# Allegro board SSOM_K1_Layout.brd (continued)
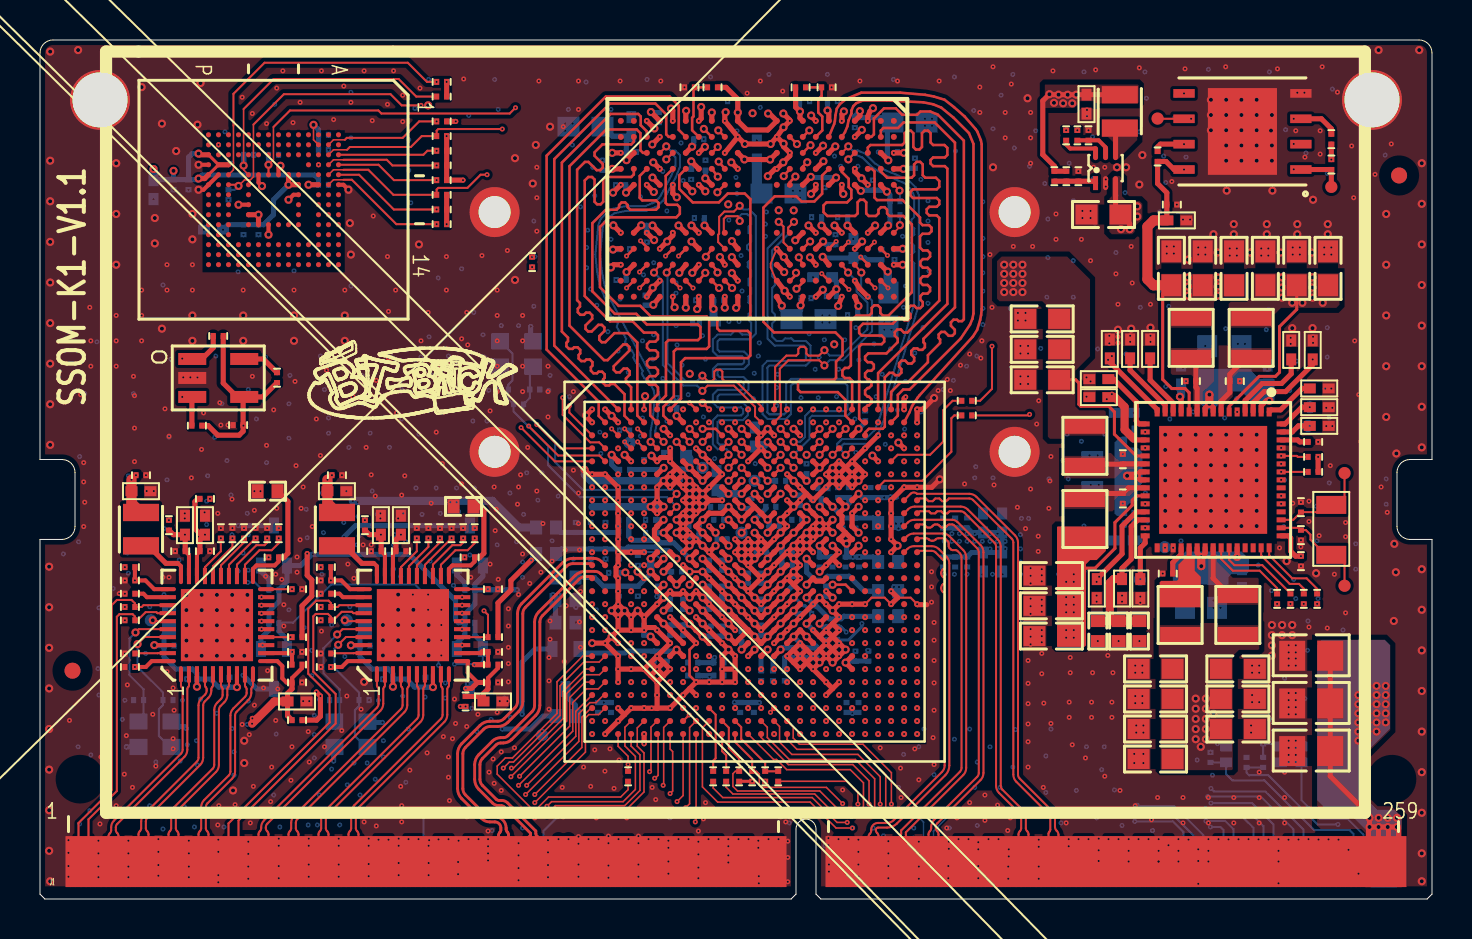
[diagram p0: board, top side]
## Routing (per net, layer and track width the routed paths; a pad name or vN(x,y) marks a point on that pad's centre or on a via; arc(x,y) is an arc through that point) (continued)
N19151441: length 5.3
  TOP w0.102: TP11.1 65.23,16.94 64.94,17.23 Y2.1 64.28,17.23 63.53,17.99 63.53,18.24 63.3,18.46 C177.2 62.93,18.58 U5.47
N19151502: length 4.9
  TOP w0.102: TP13.1 65.23,20.01 64.94,19.73 Y2.2 64.2,19.37 C178.2 62.66,18.98 U5.48
N19151576: length 0.7
  L3 w0.254: v1(56.26,17.58) v2(56.26,17.24)
  L6 w0.254: v2(56.26,17.24) 56.24,17.26 v4(56.24,17.61)
N19316433: length 0.5
  TOP w0.089: v5(35.08,18.33) U1.K13
  BOTTOM w0.254: TP3.1 v5(35.08,18.33)
N19316448: length 3.8
  TOP w0.102: 28.25,8.91 v1(28.26,8.91)
  L3 w0.102: v2(28.26,8.33) v1(28.26,8.91)
  L6 w0.102: v4(25.11,8.39) 28.2,8.39 v2(28.26,8.33)
N19320130: length 1.5
  TOP w0.127: U1.R21 40.28,15.73 v5(39.63,15.73)
  BOTTOM w0.254: v5(39.63,15.73) 39.56,15.66 C20.2
N19444825: length 1.3
  TOP w0.254: U4.4 53.78,38.38 L3.1
N19444865: length 2
  TOP w0.203: U4.6 52.78,37.51 52.72,37.57 51.51,37.57 51.31,37.77 R40.2
N19444907: length 2.1
  TOP w0.254: U4.1 52.68,35.93 R45.1 C126.1 R41.2
N19446273: length 4.3
  TOP w0.102: R47.1 61.86,15.56 60.99,16.43 59.64,16.43 59.06,17.02 U5.39
N19446276: length 4.4
  TOP w0.102: R48.1 62.52,15.3 61.11,16.71 59.72,16.71 59.46,16.97 U5.40
N19449192: length 1.5
  TOP w0.254: U5.34 57.06,17.26 56.64,16.84 R49.1
N19552508: length 0.9
  TOP w0.254: U1.U19 v5(38.98,13.78)
  BOTTOM w0.254: R8.2 39.14,13.62 v5(38.98,13.78)
N19650065: length 1.8
  TOP w0.254: U1.U18 v5(38.33,13.78)
  BOTTOM w0.254: R7.1 39.14,12.97 v5(38.33,13.78)
N19801293: length 0.9
  TOP w0.089: U6.A5 42.69,35.74 v5(42.98,35.46)
  BOTTOM w0.089: R75.2 43,35.44 v5(42.98,35.46)
N19801297: length 1
  TOP w0.089: U6.A8 43,33.65 v5(43,33.73)
  BOTTOM w0.089: R76.2 v5(43,33.73)
N19805466: length 2.5
  TOP w0.076: v5(13.67,38.75) 13.67,38 13.92,37.75 U7.C2
  BOTTOM w0.254: v5(13.67,38.75) 13.92,38.5 C222.2 C221.2
N19805593: length 14.6
  TOP w0.076: 10.18,39.54 v5(10.18,36.71) 10.18,36.5 U7.K5
  TOP w0.102: 10.18,39.54 11.68,41.05 17.93,41.05 18.81,40.17 R90.1
  BOTTOM w0.254: C223.1 10.19,36.72 v5(10.18,36.71)
N19918006: length 1.3
  L3 w0.254: v1(55.26,19.78) v2(55,19.52)
  L6 w0.254: v4(54.71,19.34) 54.82,19.34 v2(55,19.52)
  BOTTOM w0.254: R53.1 v4(54.71,19.34)
N20806377: length 1.8
  TOP w0.203: R43.2 R44.2 52.93,37.98 53.28,37.63 U4.5
N20901873: length 6.7
  TOP w0.102: R16.1 45.71,24.21 45.57,24.06 45.57,22.39 44.12,20.94 42.23,20.94 U1.G23
N23332666: length 0.7
  TOP w0.089: U1.P4 v5(29.27,16.35)
  BOTTOM w0.254: v5(29.27,16.35) 29.25,16.33 R101.1
N23398267: length 1.9
  TOP w0.254: R102.2 11.17,27.03 U9.5

## Copper pours and planes (outline as drawn; the poured copper is in the pictures)
AVDD06_DDR on TOP: 54.89,40.77 50.27,40.77 50.24,40.74 50.24,39.62 50.27,39.6 51.71,39.6 51.94,39.83 54.89,39.83 54.94,39.88 54.94,40.72
AVDD06_DDR on L4: 29.72,20.07 25.4,24.38 24,24.38 23.88,24.51 23.88,36.96 26.54,39.62 45.47,39.62 46.35,40.51 55.5,40.51 55.63,40.39 55.63,38.86 55.5,38.73 51.18,38.73 47.37,34.92 47.37,29.59 40.64,22.86 40.64,20.45 40.26,20.07
AVDD09_CSI on L3: 35.66,19.86 40.34,19.86 40.49,19.71 40.49,16.21 35.86,11.58 33.02,11.58 30.99,13.61 30.99,18.49 31.29,18.8 34.59,18.8
AVDD11_DDR on TOP: 50.39,29.64 50.39,23.14 50.5,23.04 53.26,23.04 53.29,23.06 53.29,24.38 53.21,24.46 51.97,24.46 51.77,24.66 51.77,26.44 52.5,27.18 52.5,31.01 51.36,32.16 48.08,32.16 47.85,31.93 47.85,30.05 47.98,29.92 50.11,29.92
AVDD11_DDR on L5: 39.62,30.1 35.56,26.04 35.56,21.72 36.58,20.7 36.58,20.19 36.45,20.07 31.24,20.07 30.73,20.57 30.73,21.08 24,27.81 24,40.89 24.26,41.15 47.24,41.15 53.47,34.92 53.47,30.23 53.34,30.1
AVDD12_DSI on L7: 48.13,23.75 53.85,23.75 53.98,23.88 53.98,26.8 53.72,27.05 47.37,27.05 42.42,22.1 41.15,22.1 40.39,21.34 35.56,21.34 35.05,20.83 33.02,20.83 32.51,20.32 32.51,19.18 32.13,18.8 31.37,18.8 31.24,18.67 31.24,14.35 31.37,14.22 32.77,14.22 32.89,14.35 32.89,17.27 34.8,19.18 43.56,19.18
AVDD18_AFEAP on L6: 33.91,20.19 34.04,20.32 34.8,20.32 35.31,20.83 38.1,20.83 40.13,18.8 42.16,18.8 42.55,18.41 44.58,18.41 44.7,18.29 44.7,17.27 44.58,17.14 39.37,17.14 37.08,19.43 35.56,19.43 35.05,18.92 35.05,18.67 34.92,18.54 34.04,18.54 33.91,18.67
AVDD18_CSI on L5: 32,15.21 32.24,14.98 33.66,14.98 33.66,14.99 34.54,15.88 34.54,17.65 34.67,17.78 34.67,18.67 34.8,18.8 37.08,18.8 37.85,19.56 37.85,19.94 38.1,20.19 44.2,20.19 44.45,19.94 44.45,14.86 44.32,14.73 40.77,14.73 39.24,13.21 38.35,13.21 36.58,11.43 34.92,11.43 34.42,10.92 31.75,10.92 30.48,12.19 25.53,12.19 25.27,12.45 25.27,21.08 20.07,26.29 20.07,40.51 20.19,40.64 23.37,40.64 23.5,40.51 23.5,27.81 30.48,20.83 30.48,20.32 30.99,19.81 31.88,19.81 32,19.68
AVDD18_DDR on L3: 39.83,38.73 40.01,38.54 40.01,36.05 39.3,35.34 32.07,35.34 31.68,35.73 31.68,38.45 31.95,38.73
AVDD18_DDR on L5: 32.03,39.66 32.42,39.66 32.85,39.22 32.85,36.46 31.55,35.15 31.55,33.38 31.85,33.07 32.66,33.07 32.77,32.97 32.77,29.32 32.52,29.07 30.39,29.07 29.76,29.71 29.76,37.39
AVDD18_DDR on L5: 42.32,29.84 53.34,29.84 53.47,29.72 53.47,23.37 49.78,19.68 44.96,19.68 44.83,19.81 44.83,20.07 44.45,20.45 37.97,20.45 37.59,20.07 37.59,19.68 36.96,19.05 34.8,19.05 34.67,19.18 34.67,19.68 34.8,19.81 36.58,19.81 36.83,20.07 36.83,20.85 35.89,21.79 35.89,25.86 38.91,28.88 38.91,32.97 39.07,33.12 39.73,33.12 40.34,33.73 40.34,36.3 39.95,36.68 39.01,36.68 38.76,36.93 38.76,39.39 39.07,39.7 39.7,39.7 41.81,37.59 41.81,30.35
AVDD18_EFUSE on L6: 38.73,20.57 40.26,19.05 41.91,19.05 42.16,19.3 42.16,19.43 41.66,19.94 41.66,20.32 41.15,20.83 40.64,20.83 40.01,21.46 39.12,21.46 38.73,21.08
AVDD18_PLL on L6: 35.31,18.8 35.31,16.64 35.56,16.38 38.99,16.38 39.24,16.64 39.24,16.89 36.96,19.18 35.69,19.18
AVDD18_USB on BOTTOM: 26.54,15.75 26.54,16.38 27.69,16.38 28.07,16 29.97,16 30.35,16.38 30.73,16.38 30.73,16.13 30.1,15.49 27.94,15.49 27.69,15.75
AVDD33_USB on BOTTOM: 28.96,18.41 28.96,18.03 26.04,18.03 25.78,18.29 25.78,18.54 25.91,18.67 26.04,18.67 26.29,18.41
GND on TOP: 0.25,42.35 0.37,42.63 0.65,42.75 68.95,42.75 69.23,42.63 69.35,42.35 69.35,22.25 68.5,22.25 67.86,21.99 67.6,21.35 67.6,18.65 67.86,18.01 68.5,17.75 69.35,17.75 69.35,0.64 39.05,0.64 39.05,3.5 38.3,4.25 37.55,3.5 37.55,0.64 0.25,0.64 0.25,17.75 1.1,17.75 1.74,18.01 2,18.65 2,21.35 1.74,21.99 1.1,22.25 0.25,22.25 ; 15 cut-outs
GND on BOTTOM: 0.25,42.35 0.37,42.63 0.65,42.75 68.95,42.75 69.23,42.63 69.35,42.35 69.35,22.25 68.5,22.25 67.86,21.99 67.6,21.35 67.6,18.65 67.86,18.01 68.5,17.75 69.35,17.75 69.35,0.64 39.05,0.64 39.05,3.5 38.3,4.25 37.55,3.5 37.55,0.64 0.25,0.64 0.25,17.75 1.1,17.75 1.74,18.01 2,18.65 2,21.35 1.74,21.99 1.1,22.25 0.25,22.25 ; 13 cut-outs
GND on L2, L7: 0.25,42.35 0.37,42.63 0.65,42.75 68.95,42.75 69.23,42.63 69.35,42.35 69.35,22.25 68.5,22.25 67.86,21.99 67.6,21.35 67.6,18.65 67.86,18.01 68.5,17.75 69.35,17.75 69.35,0.51 39.05,0.51 39.05,3.5 38.3,4.25 37.55,3.5 37.55,0.51 0.25,0.51 0.25,17.75 1.1,17.75 1.74,18.01 2,18.65 2,21.35 1.74,21.99 1.1,22.25 0.25,22.25
GND on L3: 0.25,42.35 0.37,42.63 0.65,42.75 68.95,42.75 69.23,42.63 69.35,42.35 69.35,22.25 68.5,22.25 67.86,21.99 67.6,21.35 67.6,18.65 67.86,18.01 68.5,17.75 69.35,17.75 69.35,0.51 39.05,0.51 39.05,3.5 38.3,4.25 37.55,3.5 37.55,0.51 0.25,0.51 0.25,17.75 1.1,17.75 1.74,18.01 2,18.65 2,21.35 1.74,21.99 1.1,22.25 0.25,22.25 ; 8 cut-outs
GND on L4: 0.25,42.35 0.37,42.63 0.65,42.75 68.95,42.75 69.23,42.63 69.35,42.35 69.35,22.25 68.5,22.25 67.86,21.99 67.6,21.35 67.6,18.65 67.86,18.01 68.5,17.75 69.35,17.75 69.35,0.51 39.05,0.51 39.05,3.5 38.3,4.25 37.55,3.5 37.55,0.51 0.25,0.51 0.25,17.75 1.1,17.75 1.74,18.01 2,18.65 2,21.35 1.74,21.99 1.1,22.25 0.25,22.25 ; 1 cut-out
GND on L5: 0.25,42.35 0.37,42.63 0.65,42.75 68.95,42.75 69.23,42.63 69.35,42.35 69.35,22.25 68.5,22.25 67.86,21.99 67.6,21.35 67.6,18.65 67.86,18.01 68.5,17.75 69.35,17.75 69.35,0.51 39.05,0.51 39.05,3.5 38.3,4.25 37.55,3.5 37.55,0.51 0.25,0.51 0.25,17.75 1.1,17.75 1.74,18.01 2,18.65 2,21.35 1.74,21.99 1.1,22.25 0.25,22.25 ; 1 cut-out
GND on L6: 0.25,42.35 0.37,42.63 0.65,42.75 68.95,42.75 69.23,42.63 69.35,42.35 69.35,22.25 68.5,22.25 67.86,21.99 67.6,21.35 67.6,18.65 67.86,18.01 68.5,17.75 69.35,17.75 69.35,0.51 39.05,0.51 39.05,3.5 38.3,4.25 37.55,3.5 37.55,0.51 0.25,0.51 0.25,17.75 1.1,17.75 1.74,18.01 2,18.65 2,21.35 1.74,21.99 1.1,22.25 0.25,22.25 ; 30 cut-outs
VCC1V8_SYS on TOP: 60.6,31.32 60.6,30.15 60.35,29.9 59.54,29.9 59.44,29.79 59.44,28.5 59.46,28.47 61.59,28.47 61.65,28.52 61.65,29.18 62.05,29.59 64.82,29.59 64.97,29.74 64.97,31.32
VCC1V8_SYS on L5: 64.52,17.4 62.1,14.99 62.1,8.76 61.59,8.26 58.17,8.26 55.88,5.97 32.51,5.97 30.86,7.62 28.83,7.62 23.11,1.91 0.64,1.91 0.25,2.29 0.25,17.53 0.38,17.65 1.4,17.65 2.03,18.29 2.03,23.37 6.73,28.07 6.73,29.21 5.21,30.73 5.21,36.7 9.14,40.64 19.68,40.64 19.81,40.51 19.81,26.04 25.02,20.83 25.02,12.32 25.4,11.94 30.35,11.94 31.62,10.67 36.2,10.67 38.48,12.95 39.37,12.95 41.02,14.61 44.58,14.61 44.83,14.86 44.83,19.18 44.96,19.3 49.91,19.3 53.85,23.24 53.85,32.77 53.98,32.89 64.39,32.89 64.52,32.77
VCC3V3_SYS on TOP: 56.52,28.47 56.52,29.97 56.41,30.07 56.06,30.07 56.03,30.1 56.03,31.27 56.06,31.29 60.22,31.29 60.25,31.27 60.25,30.18 60.22,30.15 58.98,30.15 58.7,29.87 58.7,28.47
VCC3V3_SYS on L4: 56.01,29.97 56.9,29.08 61.59,29.08 61.72,29.21 61.72,42.55 61.59,42.67 8,42.67 5.84,40.51 5.84,18.92 5.97,18.8 6.6,18.8 9.02,21.21 10.54,21.21 10.79,20.95 10.79,2.67 10.92,2.54 17.4,2.54 17.53,2.67 17.53,5.84 21.21,9.53 21.21,9.78 21.08,9.91 17.53,9.91 16.26,11.18 13.59,11.18 13.46,11.3 13.46,17.65 13.97,18.16 21.21,18.16 21.34,18.29 21.34,22.73 23.5,24.89 23.5,37.08 26.42,40.01 45.34,40.01 46.1,40.77 55.63,40.77 56.01,40.39
VCC3V3_SYS on L6: 34.54,11.68 34.54,14.86 34.67,14.99 40.51,14.99 40.51,14.73 37.85,12.06 37.47,12.06 37.08,11.68 36.83,11.68 36.7,11.81 36.7,11.94 36.58,12.06 36.2,12.06 36.07,11.94 36.07,11.68 35.94,11.56 34.67,11.56
VCC3V3_SYS on L6: 57.15,31.24 57.15,29.46 52.58,24.89 52.58,23.75 49.78,20.95 46.35,20.95 45.72,20.32 42.04,20.32 41.91,20.19 41.91,19.94 42.04,19.81 43.56,19.81 43.69,19.68 52.45,19.68 53.47,18.67 53.47,14.73 55.37,12.83 55.37,12.19 54.23,11.05 54.23,10.67 54.36,10.54 54.86,10.54 56.39,12.06 56.39,13.84 54.74,15.49 54.74,24.77 59.31,29.34 59.31,31.24 59.05,31.5 57.4,31.5
VCC4V0_SYS on BOTTOM (solid shape): 60.45,17.02 60.45,16.38 60.33,16.26 59.56,16.26 59.44,16.13 59.44,15.75 56.64,15.75 56.64,16.76 57.28,17.4 60.07,17.4
VCC4V0_SYS on BOTTOM (solid shape): 60.96,26.04 61.72,26.04 61.72,24.89 61.59,24.77 60.71,24.77 60.07,25.4 59.56,25.4 58.67,24.51 58.29,24.51 57.78,25.02 57.78,26.42 57.91,26.54 60.45,26.54
VCC4V0_SYS on BOTTOM (solid shape): 54.36,22.73 54.48,22.61 54.86,22.61 55.12,22.35 55.12,20.83 54.86,20.57 54.86,19.94 54.74,19.81 54.48,19.81 54.36,19.68 54.36,19.18 53.85,19.18 53.72,19.3 53.72,22.86 53.98,23.11 54.36,23.11
VCC4V0_SYS on BOTTOM (solid shape): 67.51,12.7 67.51,8.53 65.99,7.01 65.99,5.33 66.85,4.47 67.72,4.47 68.07,4.11 68.07,3.48 67.84,3.25 67.84,0.58 66.52,0.58 66.52,3.23 65.41,4.34 64.47,4.34 63.86,4.95 63.86,12.73 64.11,12.98 67.23,12.98
VCC4V0_SYS on TOP: 63.86,12.98 63.86,3.68 64.03,3.51 66.07,3.51 66.27,3.3 66.27,0.58 68.07,0.58 68.1,0.61 68.1,4.11 67.56,4.65 66.88,4.65 66.19,5.33 66.19,7.14 67.51,8.46 67.51,12.7 67.23,12.98
VCC4V0_SYS on TOP: 53.59,36.07 53.59,35.18 53.47,35.05 53.47,33.4 53.59,33.27 54.61,33.27 54.74,33.4 54.74,33.66 55.12,34.04 55.12,34.8 54.99,34.92 54.36,34.92 54.1,35.18 54.1,36.07 53.98,36.2 53.72,36.2
VCC4V0_SYS on L4: 51.18,38.48 55.5,38.48 55.63,38.35 55.63,29.92 56.85,28.7 61.85,28.7 66.55,24 66.55,16.89 67.82,15.62 67.82,8.84 65.99,7.01 65.99,5.33 66.85,4.47 67.72,4.47 68.33,3.86 68.33,1.14 68.2,1.02 40.39,1.02 40.13,1.27 40.13,3.81 39.12,4.83 37.59,4.83 36.83,4.06 36.83,1.4 36.45,1.02 23.75,1.02 22.86,1.91 22.86,6.73 23.5,7.37 23.62,7.37 23.75,7.24 23.75,3.05 24.51,2.29 34.42,2.29 34.54,2.41 34.54,4.7 35.56,5.71 41.15,5.71 44.58,2.29 59.05,2.29 59.44,2.67 59.44,11.18 49.28,21.34 41.02,21.34 40.89,21.46 40.89,22.61 47.62,29.34 47.62,34.92 ; 1 cut-out
VCC_M1 on TOP: 55.93,13.82 55.93,12.14 56.03,12.04 56.03,6.5 56.08,6.45 59.59,6.45 59.64,6.5 59.64,12.17 59.94,12.47 60.91,12.47 60.96,12.52 60.96,13.77 60.91,13.82
VCC_M1 on BOTTOM: 26.16,15.37 26.16,13.59 26.04,13.46 25.27,13.46 25.15,13.59 25.15,14.48 24.51,15.11 24.51,17.65 25.15,17.65 25.15,15.62 25.4,15.37
VCC_M1 on BOTTOM: 48.39,17.02 44.83,17.02 44.7,16.89 44.7,14.22 44.2,13.72 42.67,13.72 42.55,13.84 42.55,14.48 43.56,14.48 43.81,14.73 43.81,16 43.43,16.38 42.67,16.38 42.55,16.51 42.55,17.14 42.67,17.27 43.43,17.27 43.94,17.78 43.94,18.41 44.2,18.67 48.39,18.67 48.51,18.54 48.51,17.14
VCC_M1 on L4: 29.46,19.81 40.39,19.81 40.89,20.32 40.89,20.95 41.02,21.08 49.15,21.08 59.05,11.18 59.05,2.79 58.8,2.54 44.7,2.54 41.27,5.97 35.43,5.97 34.29,4.83 34.29,2.67 34.16,2.54 24.77,2.54 24,3.3 24,7.37 23.75,7.62 23.37,7.62 22.61,6.86 22.61,2.79 22.35,2.54 18.03,2.54 17.91,2.67 17.91,5.84 21.59,9.53 21.59,22.48 22.86,23.75 25.53,23.75
VCC_M1 on L6: 25.91,15.37 30.35,15.37 31.37,14.35 31.37,13.72 31.24,13.59 30.86,13.59 29.59,14.86 25.53,14.86 24.51,15.88 24.51,16.51 24.77,16.51
VCC_M1 on L6: 51.69,18.54 51.69,16.89 51.44,16.64 48.13,16.64 47.12,17.65 45.09,17.65 44.96,17.78 44.96,18.54 45.09,18.67 51.56,18.67
VCC_M1 on L7: 48.51,16.76 48.39,16.64 40.46,16.64 38.2,14.38 38.2,13.56 38.56,13.21 38.56,12.93 38.46,12.83 30.35,12.83 30.23,12.95 30.23,13.84 30.35,13.97 32.77,13.97 33.15,14.35 33.15,17.14 35.05,19.05 48.39,19.05 48.51,18.92
BUCK5_2V1 on TOP (solid shape): 53.29,18.62 53.29,17.42 52.83,16.97 52.5,16.97 52.3,16.76 52.3,12.7 52.22,12.62 50.88,12.62 50.85,12.65 50.85,18.62 50.88,18.64 53.26,18.64
BUCK5_2V1 on L3: 53.59,22.61 53.59,19.43 54.23,18.8 55.37,18.8 55.5,18.67 55.5,18.41 52.32,15.24 52.32,12.95 52.2,12.83 51.18,12.83 51.05,12.95 51.05,16 52.45,17.4 52.45,23.11 53.34,24 55.37,24 55.5,23.88 55.5,23.37 55.37,23.24 54.23,23.24
PHY0_AVDD33 on L4: 13.84,17.4 13.84,11.56 13.97,11.43 16.51,11.43 17.65,10.29 21.21,10.29 21.34,10.41 21.34,17.65 21.21,17.78 14.22,17.78
PHY1_NINT_3V3 on L4: 4.83,15.62 10.41,15.62 10.41,18.8 10.29,18.92 9.14,18.92 9.02,18.8 9.02,17.4 8.64,17.02 4.7,17.02 4.57,16.89 4.57,15.88
PHY1_VDD1V0 on L4: 5.59,18.8 5.84,18.54 6.73,18.54 9.14,20.95 10.29,20.95 10.41,20.83 10.41,19.3 10.29,19.18 9.14,19.18 8.76,18.8 8.76,17.53 8.51,17.27 4.57,17.27 4.32,17.02 4.32,15.75 4.7,15.37 6.86,15.37 6.99,15.24 6.99,14.22 6.86,14.1 3.68,14.1 3.56,14.22 3.56,21.72 5.46,21.72 5.59,21.59
N17570976 on L5: 33.65,15.36 34.29,16 34.29,17.78 34.42,17.91 34.42,19.68 34.29,19.81 32.38,19.81 32.26,19.68 32.26,15.49 32.39,15.36
N19150023 on TOP: 60.93,14.61 60.93,16.03 60.88,16.08 59.64,16.08 58.85,16.87 58.85,17.22 58.8,17.27 58.8,17.81 58.78,17.83 58.55,17.83 58.52,17.81 58.52,17.22 58.42,17.12 58.42,14.63 58.45,14.61
N19150163 on TOP (solid shape): 57.73,17.02 57.73,16.43 58.04,16.13 58.04,14.61 56.01,14.61 55.98,14.63 55.98,15.85 56.06,15.93 56.85,15.93 56.92,16 56.92,16.74 57.4,17.22 57.53,17.22
N19150295 on TOP: 61.57,27.71 61.57,26.44 61.52,26.39 59.92,26.39 59.64,26.11 59.64,25.15 59.18,24.69 59.18,24.16 58.93,24.16 58.93,27.71
N19150407 on TOP: 56.54,27.71 56.54,26.31 56.62,26.24 57.56,26.24 57.66,26.14 57.66,24.71 57.73,24.64 57.73,24.13 57.99,24.13 57.99,24.66 58.14,24.82 58.14,25.37 58.7,25.93 58.7,27.69 58.67,27.71
N19150503 on TOP: 54.76,20.45 54.48,20.17 53.92,20.17 53.72,19.96 53.72,19.51 53.62,19.41 51.21,19.41 51.21,20.73 55.5,20.73 55.5,20.45
N19150649 on TOP: 51.21,22.33 53.54,22.33 53.95,21.92 55.5,21.92 55.5,21.64 54.89,21.64 54.76,21.51 54.2,21.51 53.75,21.06 51.21,21.06
N19444825 on TOP: 53.64,37.9 53.29,38.25 53.29,38.61 53.44,38.76 54.61,38.76 54.86,38.51 54.86,38 53.9,37.03 53.7,37.03 53.64,37.08

## Text on the board
Ref Des/Silkscreen Top: SSOM-K1-V1.1
User.45: FIGURE | FINISHED_SIZE | 4.0 | 8.0 | DRILL CHART: L2 to L3 | ALL UNITS ARE IN MILS | DRILL CHART: L3 to L6 | DRILL CHART: L7 to BOTTOM | DRILL CHART: L6 to L7 | DRILL CHART: L2 to L7 | DRILL CHART: TOP to L3 | DRILL CHART: TOP to L2 | DRILL CHART: L6 to BOTTOM | TOLERANCE_DRILL | +0.0/-0.0 | PLATED | QTY | 195 | 426 | 335 | 171 | 106 | 993 | 560 | 626 | 62.99 | 108.27 | DRILL CHART: TOP to BOTTOM | +1.0/-1.0 | 728 | 4 | 2
